# KiCad board ulx4m_panel.kicad_pcb
title: ULX4M-LS; date: 2025-03-12; rev: v0.0.4; company: Intergalaktik d.o.o.; note: License: CERN-OHL-S v2
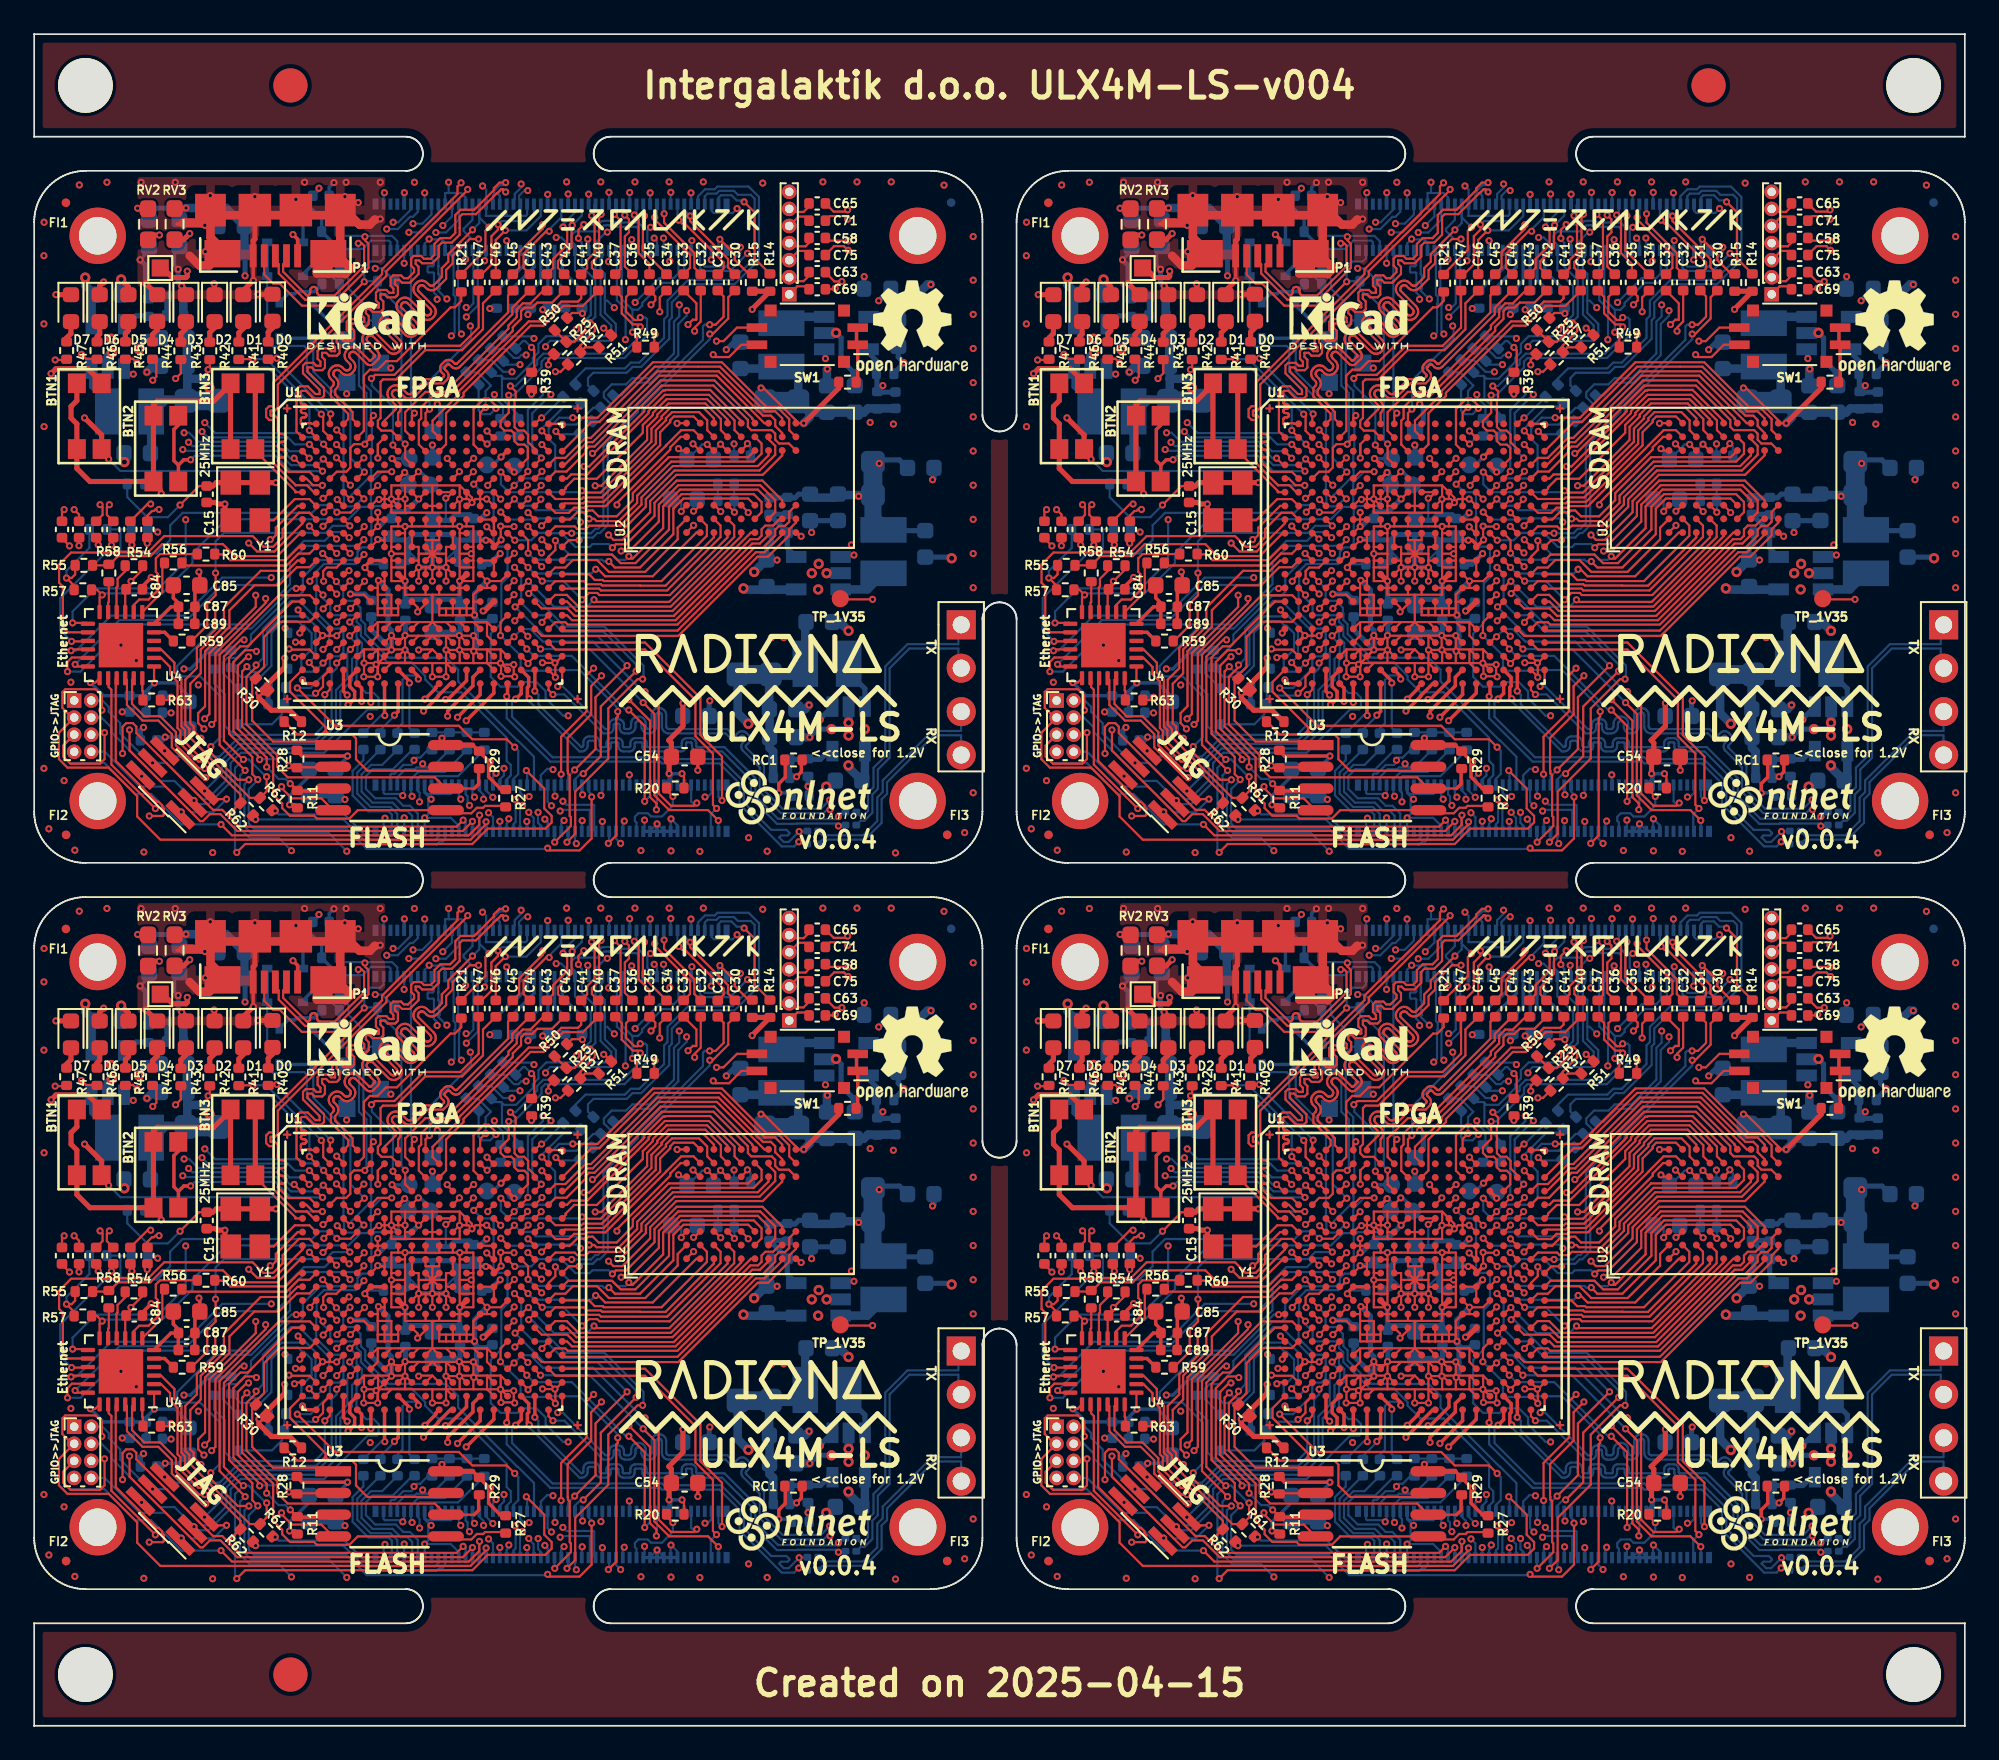
[diagram p0: board, top side]
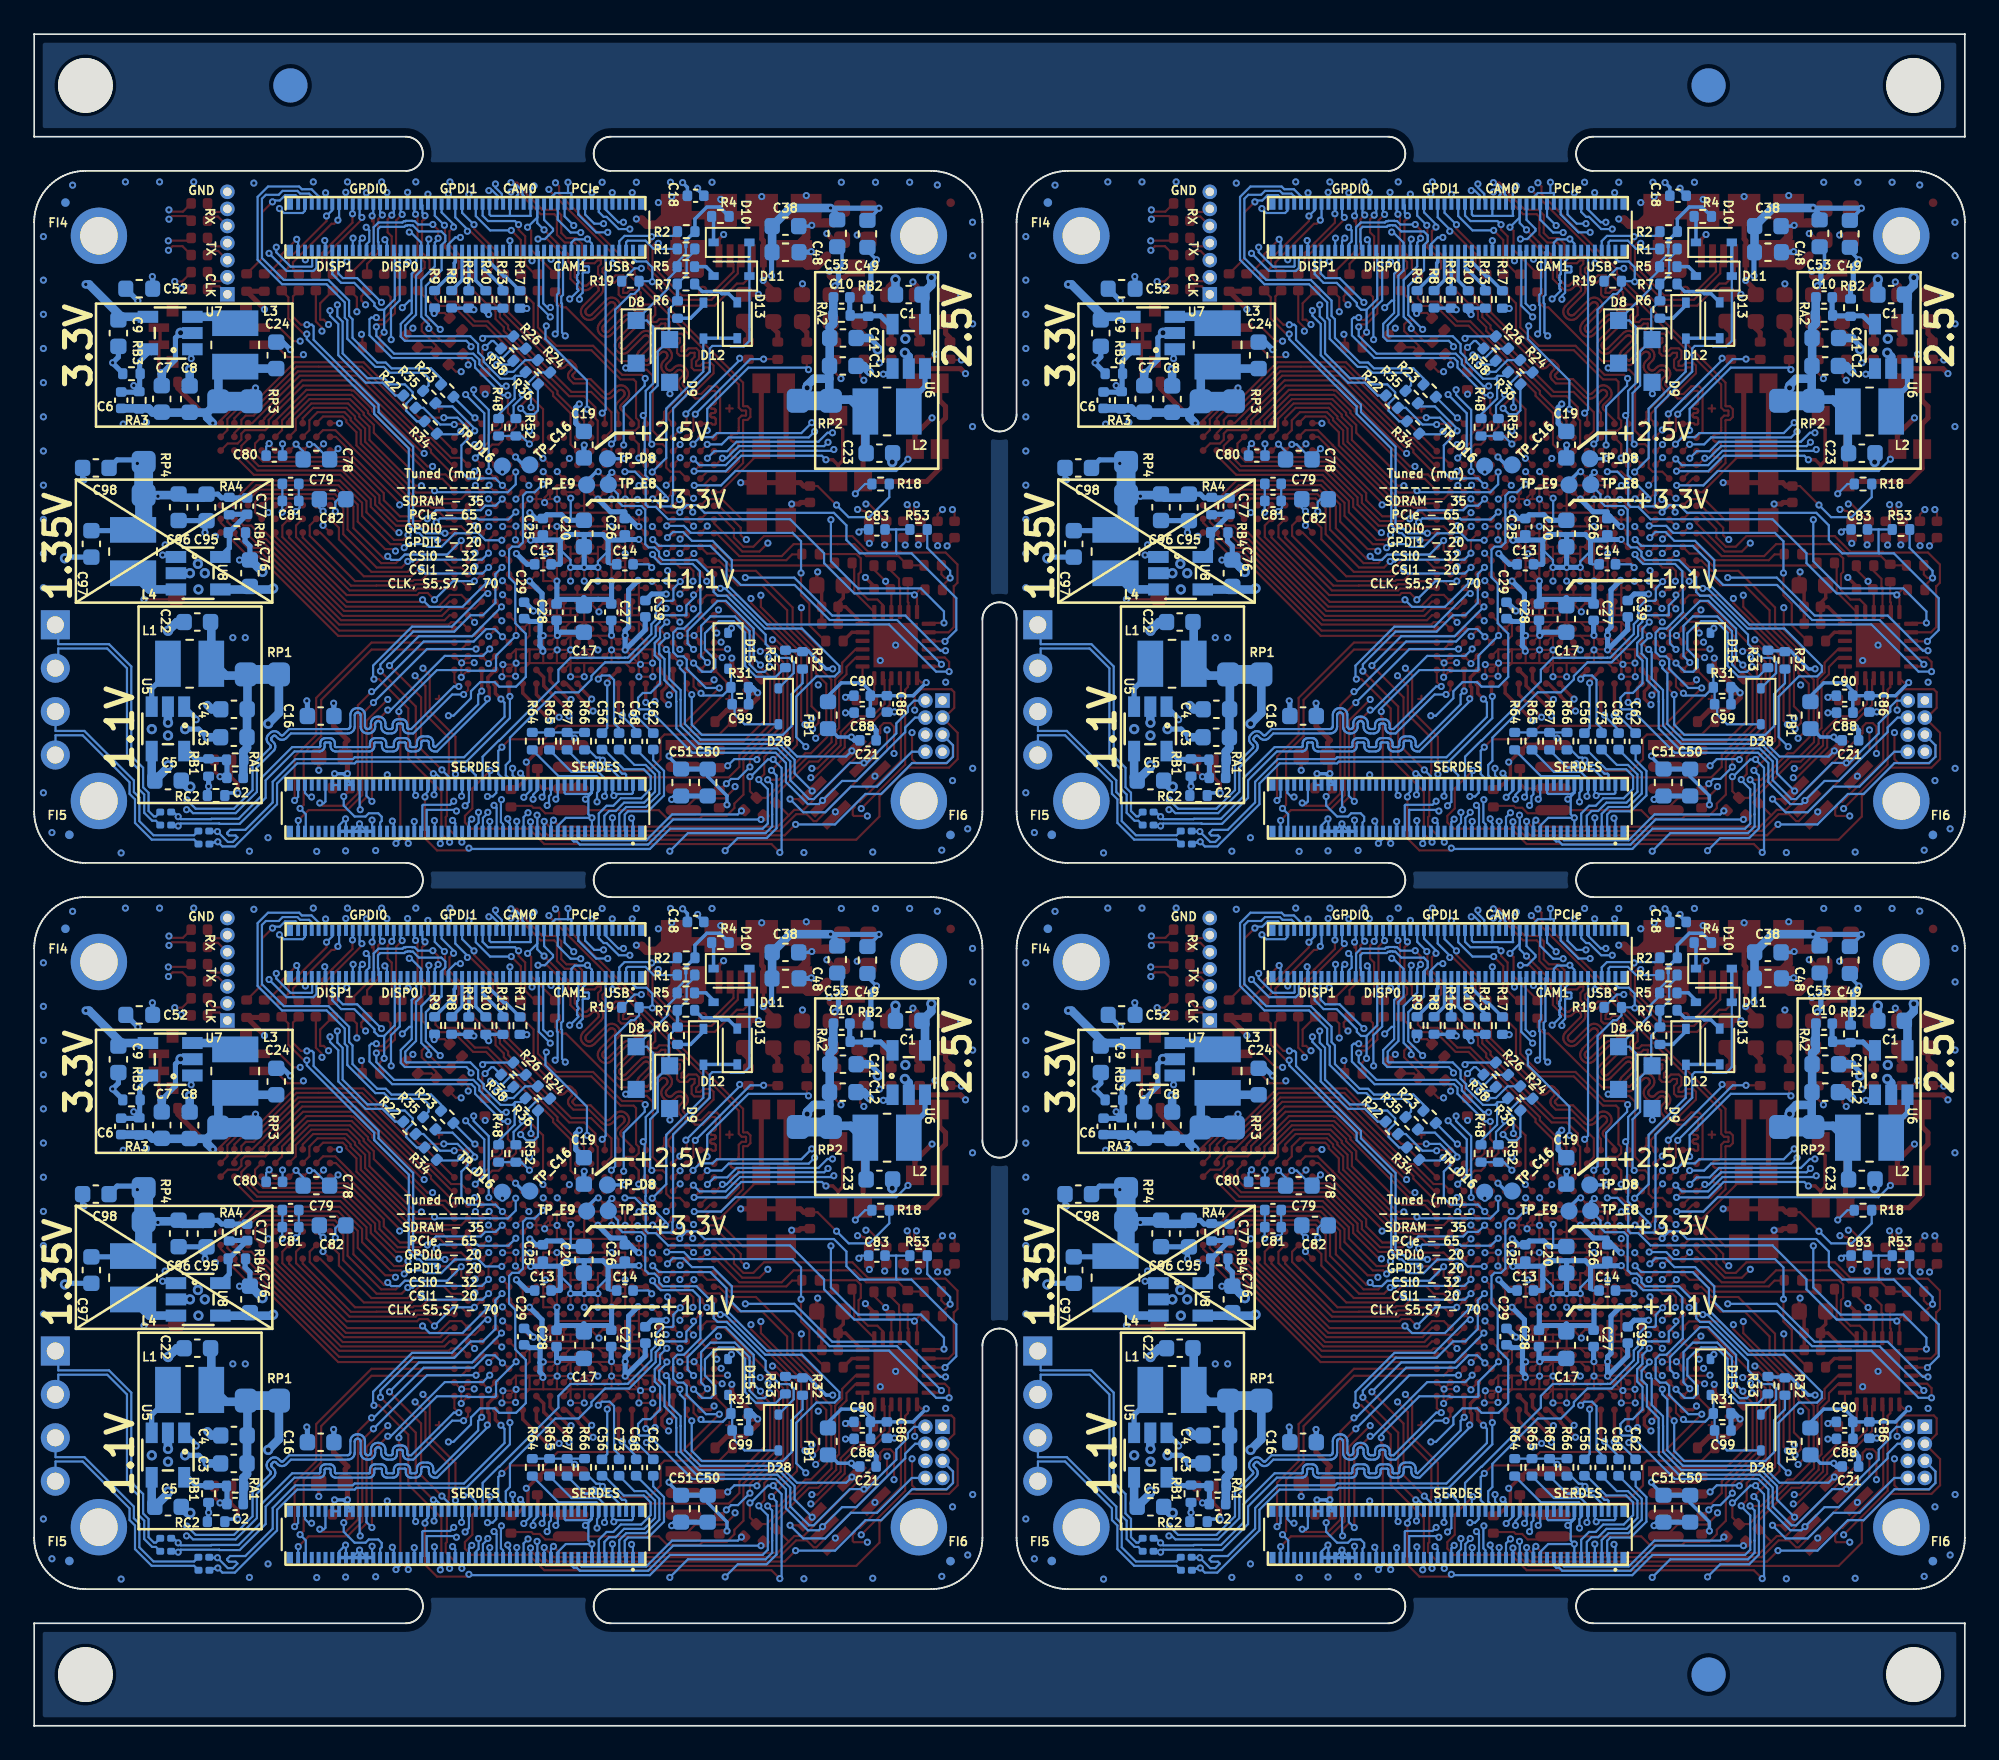
[diagram p1: board, bottom side, seen from below]

Outline 113.02 x 99 mm; copper layers: Top, GND1.Cu, In2signal.Cu, POWER.Cu, GND2.Cu, Bottom. Coordinates in mm from the lower left corner of the outline.
Stack: Top 0.035mm / dielectric 0.274mm FR4 er 4.5 / GND1.Cu 0.035mm / dielectric 0.274mm FR4 er 4.5 / In2signal.Cu 0.035mm / dielectric 0.274mm FR4 er 4.5 / POWER.Cu 0.035mm / dielectric 0.274mm FR4 er 4.5 / GND2.Cu 0.035mm / dielectric 0.274mm FR4 er 4.5 / Bottom 0.035mm

## Placement (name value [footprint] x y rotation side)
1.1V_1  1.1V  [TestPoint_Pad_1.0x1.0mm]  7.38 42.82 0 top  (not fitted)
1.1V_1#2  1.1V  [TestPoint_Pad_1.0x1.0mm]  7.38 85.32 0 top  (not fitted)
1.1V_1#3  1.1V  [TestPoint_Pad_1.0x1.0mm]  64.89 85.32 0 top  (not fitted)
1.1V_1#4  1.1V  [TestPoint_Pad_1.0x1.0mm]  64.89 42.82 0 top  (not fitted)
BTN1  SW_Push  [Switch_EVPAA]  3.23 34.15 90 top
BTN1#2  SW_Push  [Switch_EVPAA]  3.23 76.65 90 top
BTN1#3  SW_Push  [Switch_EVPAA]  60.73 76.65 90 top
BTN1#4  SW_Push  [Switch_EVPAA]  60.73 34.15 90 top
BTN2  SW_Push  [Switch_EVPAA]  65.22 32.25 90 top
BTN2#2  SW_Push  [Switch_EVPAA]  65.22 74.75 90 top
BTN2#3  SW_Push  [Switch_EVPAA]  7.71 32.25 90 top
BTN2#4  SW_Push  [Switch_EVPAA]  7.71 74.75 90 top
BTN3  SW_Push  [Switch_EVPAA]  12.22 76.65 90 top
BTN3#2  SW_Push  [Switch_EVPAA]  12.22 34.15 90 top
BTN3#3  SW_Push  [Switch_EVPAA]  69.73 34.15 90 top
BTN3#4  SW_Push  [Switch_EVPAA]  69.73 76.65 90 top
C1  22uF  [C_0603_1608Metric]  61.83 41.26 0 bottom
C1#2  22uF  [C_0603_1608Metric]  4.32 83.76 0 bottom
C1#3  22uF  [C_0603_1608Metric]  61.83 83.76 0 bottom
C1#4  22uF  [C_0603_1608Metric]  4.32 41.26 0 bottom
C2  100pF  [C_0402_1005Metric]  101.26 12.98 0 bottom
C2#2  100pF  [C_0402_1005Metric]  43.75 12.98 0 bottom
C2#3  100pF  [C_0402_1005Metric]  101.26 55.48 0 bottom
C2#4  100pF  [C_0402_1005Metric]  43.75 55.48 0 bottom
C3  22uF  [C_0603_1608Metric]  43.83 57.86 0 bottom
C3#2  22uF  [C_0603_1608Metric]  101.33 57.86 0 bottom
C3#3  22uF  [C_0603_1608Metric]  101.33 15.36 0 bottom
C3#4  22uF  [C_0603_1608Metric]  43.83 15.36 0 bottom
C4  22uF  [C_0603_1608Metric]  101.33 59.49 0 bottom
C4#2  22uF  [C_0603_1608Metric]  101.33 16.99 0 bottom
C4#3  22uF  [C_0603_1608Metric]  43.82 59.49 0 bottom
C4#4  22uF  [C_0603_1608Metric]  43.82 16.99 0 bottom
C5  22uF  [C_0603_1608Metric]  47.67 55.32 180 bottom
C5#2  22uF  [C_0603_1608Metric]  105.19 55.32 180 bottom
C5#3  22uF  [C_0603_1608Metric]  105.19 12.82 180 bottom
C5#4  22uF  [C_0603_1608Metric]  47.67 12.82 180 bottom
C6  100pF  [C_0402_1005Metric]  50.41 35.08 90 bottom
C6#2  100pF  [C_0402_1005Metric]  50.41 77.58 90 bottom
C6#3  100pF  [C_0402_1005Metric]  107.92 77.58 90 bottom
C6#4  100pF  [C_0402_1005Metric]  107.92 35.08 90 bottom
C7  22uF  [C_0603_1608Metric]  48.04 77.66 90 bottom
C7#2  22uF  [C_0603_1608Metric]  48.04 35.16 90 bottom
C7#3  22uF  [C_0603_1608Metric]  105.55 77.66 90 bottom
C7#4  22uF  [C_0603_1608Metric]  105.55 35.16 90 bottom
C8  22uF  [C_0603_1608Metric]  46.41 77.65 90 bottom
C8#2  22uF  [C_0603_1608Metric]  46.41 35.15 90 bottom
C8#3  22uF  [C_0603_1608Metric]  103.92 35.15 90 bottom
C8#4  22uF  [C_0603_1608Metric]  103.92 77.65 90 bottom
C9  22uF  [C_0603_1608Metric]  50.58 39.01 270 bottom
C9#2  22uF  [C_0603_1608Metric]  108.09 39.01 270 bottom
C9#3  22uF  [C_0603_1608Metric]  50.58 81.51 270 bottom
C9#4  22uF  [C_0603_1608Metric]  108.09 81.51 270 bottom
C10  100pF  [C_0402_1005Metric]  8.24 41.1 180 bottom
C10#2  100pF  [C_0402_1005Metric]  65.75 83.6 180 bottom
C10#3  100pF  [C_0402_1005Metric]  65.75 41.1 180 bottom
C10#4  100pF  [C_0402_1005Metric]  8.24 83.6 180 bottom
C11  22uF  [C_0603_1608Metric]  8.17 81.22 180 bottom
C11#2  22uF  [C_0603_1608Metric]  8.17 38.72 180 bottom
C11#3  22uF  [C_0603_1608Metric]  65.67 81.22 180 bottom
C11#4  22uF  [C_0603_1608Metric]  65.67 38.72 180 bottom
C12  22uF  [C_0603_1608Metric]  65.69 79.59 180 bottom
C12#2  22uF  [C_0603_1608Metric]  8.18 37.09 180 bottom
C12#3  22uF  [C_0603_1608Metric]  65.69 37.09 180 bottom
C12#4  22uF  [C_0603_1608Metric]  8.18 79.59 180 bottom
C13  22nF  [C_0402_1005Metric]  83.24 25.48 180 bottom
C13#2  22nF  [C_0402_1005Metric]  25.73 25.48 180 bottom
C13#3  22nF  [C_0402_1005Metric]  25.73 67.98 180 bottom
C13#4  22nF  [C_0402_1005Metric]  83.24 67.98 180 bottom
C14  22nF  [C_0402_1005Metric]  20.93 67.98 0 bottom
C14#2  22nF  [C_0402_1005Metric]  78.44 25.48 0 bottom
C14#3  22nF  [C_0402_1005Metric]  20.93 25.48 0 bottom
C14#4  22nF  [C_0402_1005Metric]  78.44 67.98 0 bottom
C15  22nF  [C_0402_1005Metric]  67.61 72.08 270 top
C15#2  22nF  [C_0402_1005Metric]  10.1 29.58 270 top
C15#3  22nF  [C_0402_1005Metric]  10.1 72.08 270 top
C15#4  22nF  [C_0402_1005Metric]  67.61 29.58 270 top
C16  2.2uF  [C_0603_1608Metric]  96.25 59.1 0 bottom
C16#2  2.2uF  [C_0603_1608Metric]  38.74 16.6 0 bottom
C16#3  2.2uF  [C_0603_1608Metric]  38.74 59.1 0 bottom
C16#4  2.2uF  [C_0603_1608Metric]  96.25 16.6 0 bottom
C17  2.2uF  [C_0603_1608Metric]  23.33 64.78 270 bottom
C17#2  2.2uF  [C_0603_1608Metric]  80.84 22.28 270 bottom
C17#3  2.2uF  [C_0603_1608Metric]  23.33 22.28 270 bottom
C17#4  2.2uF  [C_0603_1608Metric]  80.84 64.78 270 bottom
C18  22nF  [C_0402_1005Metric]  16.79 47.05 0 bottom
C18#2  22nF  [C_0402_1005Metric]  16.79 89.55 0 bottom
C18#3  22nF  [C_0402_1005Metric]  74.3 89.55 0 bottom
C18#4  22nF  [C_0402_1005Metric]  74.3 47.05 0 bottom
C19  2.2uF  [C_0603_1608Metric]  80.84 32.48 90 bottom
C19#2  2.2uF  [C_0603_1608Metric]  23.33 74.98 90 bottom
C19#3  2.2uF  [C_0603_1608Metric]  23.33 32.48 90 bottom
C19#4  2.2uF  [C_0603_1608Metric]  80.84 74.98 90 bottom
C20  2.2uF  [C_0603_1608Metric]  80.84 69.78 270 bottom
C20#2  2.2uF  [C_0603_1608Metric]  80.84 27.28 270 bottom
C20#3  2.2uF  [C_0603_1608Metric]  23.33 69.78 270 bottom
C20#4  2.2uF  [C_0603_1608Metric]  23.33 27.28 270 bottom
C21  22nF  [C_0402_1005Metric]  6.7 57.68 180 bottom
C21#2  22nF  [C_0402_1005Metric]  64.21 15.18 180 bottom
C21#3  22nF  [C_0402_1005Metric]  6.7 15.18 180 bottom
C21#4  22nF  [C_0402_1005Metric]  64.21 57.68 180 bottom
C22  2.2uF  [C_0603_1608Metric]  103.47 22.1 0 bottom
C22#2  2.2uF  [C_0603_1608Metric]  45.96 64.6 0 bottom
C22#3  2.2uF  [C_0603_1608Metric]  45.96 22.1 0 bottom
C22#4  2.2uF  [C_0603_1608Metric]  103.47 64.6 0 bottom
C23  2.2uF  [C_0603_1608Metric]  63.54 74.48 180 bottom
C23#2  2.2uF  [C_0603_1608Metric]  6.03 31.98 180 bottom
C23#3  2.2uF  [C_0603_1608Metric]  6.03 74.48 180 bottom
C23#4  2.2uF  [C_0603_1608Metric]  63.54 31.98 180 bottom
C24  2.2uF  [C_0603_1608Metric]  41.34 80.21 90 bottom
C24#2  2.2uF  [C_0603_1608Metric]  98.85 80.21 90 bottom
C24#3  2.2uF  [C_0603_1608Metric]  41.34 37.71 90 bottom
C24#4  2.2uF  [C_0603_1608Metric]  98.85 37.71 90 bottom
C25  22nF  [C_0402_1005Metric]  83.24 27.68 270 bottom
C25#2  22nF  [C_0402_1005Metric]  25.73 70.18 270 bottom
C25#3  22nF  [C_0402_1005Metric]  25.73 27.68 270 bottom
C25#4  22nF  [C_0402_1005Metric]  83.24 70.18 270 bottom
C26  22nF  [C_0402_1005Metric]  78.44 70.18 270 bottom
C26#2  22nF  [C_0402_1005Metric]  20.93 70.18 270 bottom
C26#3  22nF  [C_0402_1005Metric]  20.93 27.68 270 bottom
C26#4  22nF  [C_0402_1005Metric]  78.44 27.68 270 bottom
C27  22nF  [C_0402_1005Metric]  21.73 65.18 270 bottom
C27#2  22nF  [C_0402_1005Metric]  79.24 65.18 270 bottom
C27#3  22nF  [C_0402_1005Metric]  79.24 22.68 270 bottom
C27#4  22nF  [C_0402_1005Metric]  21.73 22.68 270 bottom
C28  22nF  [C_0402_1005Metric]  82.44 65.18 270 bottom
C28#2  22nF  [C_0402_1005Metric]  24.93 22.68 270 bottom
C28#3  22nF  [C_0402_1005Metric]  24.93 65.18 270 bottom
C28#4  22nF  [C_0402_1005Metric]  82.44 22.68 270 bottom
C29  22nF  [C_0402_1005Metric]  26.83 22.78 270 bottom
C29#2  22nF  [C_0402_1005Metric]  84.34 22.78 270 bottom
C29#3  22nF  [C_0402_1005Metric]  26.83 65.28 270 bottom
C29#4  22nF  [C_0402_1005Metric]  84.34 65.28 270 bottom
C30  100n  [C_0402_1005Metric]  41.02 41.98 90 top
C30#2  100n  [C_0402_1005Metric]  98.53 84.48 90 top
C30#3  100n  [C_0402_1005Metric]  98.53 41.98 90 top
C30#4  100n  [C_0402_1005Metric]  41.02 84.48 90 top
C31  100n  [C_0402_1005Metric]  40.02 41.98 90 top
C31#2  100n  [C_0402_1005Metric]  40.02 84.48 90 top
C31#3  100n  [C_0402_1005Metric]  97.53 41.98 90 top
C31#4  100n  [C_0402_1005Metric]  97.53 84.48 90 top
C32  100n  [C_0402_1005Metric]  39.02 84.48 90 top
C32#2  100n  [C_0402_1005Metric]  96.53 41.98 90 top
C32#3  100n  [C_0402_1005Metric]  96.53 84.48 90 top
C32#4  100n  [C_0402_1005Metric]  39.02 41.98 90 top
C33  100n  [C_0402_1005Metric]  95.53 84.48 90 top
C33#2  100n  [C_0402_1005Metric]  95.53 41.98 90 top
C33#3  100n  [C_0402_1005Metric]  38.02 41.98 90 top
C33#4  100n  [C_0402_1005Metric]  38.02 84.48 90 top
C34  100n  [C_0402_1005Metric]  37.02 84.48 90 top
C34#2  100n  [C_0402_1005Metric]  37.02 41.98 90 top
C34#3  100n  [C_0402_1005Metric]  94.53 41.98 90 top
C34#4  100n  [C_0402_1005Metric]  94.53 84.48 90 top
C35  100n  [C_0402_1005Metric]  36.02 84.48 90 top
C35#2  100n  [C_0402_1005Metric]  93.53 41.98 90 top
C35#3  100n  [C_0402_1005Metric]  36.02 41.98 90 top
C35#4  100n  [C_0402_1005Metric]  93.53 84.48 90 top
C36  100n  [C_0402_1005Metric]  35.02 41.98 90 top
C36#2  100n  [C_0402_1005Metric]  92.53 84.48 90 top
C36#3  100n  [C_0402_1005Metric]  92.53 41.98 90 top
C36#4  100n  [C_0402_1005Metric]  35.02 84.48 90 top
C37  100n  [C_0402_1005Metric]  34.02 41.98 90 top
C37#2  100n  [C_0402_1005Metric]  91.53 84.48 90 top
C37#3  100n  [C_0402_1005Metric]  91.53 41.98 90 top
C37#4  100n  [C_0402_1005Metric]  34.02 84.48 90 top
C38  2.2uF  [C_0603_1608Metric]  11.53 87.77 180 bottom
C38#2  2.2uF  [C_0603_1608Metric]  11.53 45.27 180 bottom
C38#3  2.2uF  [C_0603_1608Metric]  69.04 87.77 180 bottom
C38#4  2.2uF  [C_0603_1608Metric]  69.04 45.27 180 bottom
C39  22nF  [C_0402_1005Metric]  19.73 65.38 270 bottom
C39#2  22nF  [C_0402_1005Metric]  77.24 65.38 270 bottom
C39#3  22nF  [C_0402_1005Metric]  19.73 22.88 270 bottom
C39#4  22nF  [C_0402_1005Metric]  77.24 22.88 270 bottom
C40  100n  [C_0402_1005Metric]  33.02 84.48 90 top
C40#2  100n  [C_0402_1005Metric]  90.53 41.98 90 top
C40#3  100n  [C_0402_1005Metric]  90.53 84.48 90 top
C40#4  100n  [C_0402_1005Metric]  33.02 41.98 90 top
C41  100n  [C_0402_1005Metric]  32.02 41.98 90 top
C41#2  100n  [C_0402_1005Metric]  89.53 84.48 90 top
C41#3  100n  [C_0402_1005Metric]  32.02 84.48 90 top
C41#4  100n  [C_0402_1005Metric]  89.53 41.98 90 top
C42  100n  [C_0402_1005Metric]  88.53 41.98 90 top
C42#2  100n  [C_0402_1005Metric]  31.02 84.48 90 top
C42#3  100n  [C_0402_1005Metric]  88.53 84.48 90 top
C42#4  100n  [C_0402_1005Metric]  31.02 41.98 90 top
C43  100n  [C_0402_1005Metric]  30.02 84.48 90 top
C43#2  100n  [C_0402_1005Metric]  87.53 41.98 90 top
C43#3  100n  [C_0402_1005Metric]  87.53 84.48 90 top
C43#4  100n  [C_0402_1005Metric]  30.02 41.98 90 top
C44  100n  [C_0402_1005Metric]  86.53 84.48 90 top
C44#2  100n  [C_0402_1005Metric]  86.53 41.98 90 top
C44#3  100n  [C_0402_1005Metric]  29.02 41.98 90 top
C44#4  100n  [C_0402_1005Metric]  29.02 84.48 90 top
C45  100n  [C_0402_1005Metric]  28.02 84.48 90 top
C45#2  100n  [C_0402_1005Metric]  28.02 41.98 90 top
C45#3  100n  [C_0402_1005Metric]  85.53 84.48 90 top
C45#4  100n  [C_0402_1005Metric]  85.53 41.98 90 top
C46  100n  [C_0402_1005Metric]  27.02 84.48 90 top
C46#2  100n  [C_0402_1005Metric]  27.02 41.98 90 top
C46#3  100n  [C_0402_1005Metric]  84.53 41.98 90 top
C46#4  100n  [C_0402_1005Metric]  84.53 84.48 90 top
C47  100n  [C_0402_1005Metric]  26.02 41.98 90 top
C47#2  100n  [C_0402_1005Metric]  83.53 41.98 90 top
C47#3  100n  [C_0402_1005Metric]  83.53 84.48 90 top
C47#4  100n  [C_0402_1005Metric]  26.02 84.48 90 top
C48  22nF  [C_0603_1608Metric]  11.53 43.74 180 bottom
C48#2  22nF  [C_0603_1608Metric]  11.53 86.24 180 bottom
C48#3  22nF  [C_0603_1608Metric]  69.04 86.24 180 bottom
C48#4  22nF  [C_0603_1608Metric]  69.04 43.74 180 bottom
C49  22nF  [C_0603_1608Metric]  64.24 44.82 270 bottom
C49#2  22nF  [C_0603_1608Metric]  64.24 87.32 270 bottom
C49#3  22nF  [C_0603_1608Metric]  6.73 44.82 270 bottom
C49#4  22nF  [C_0603_1608Metric]  6.73 87.32 270 bottom
C50  22nF  [C_0603_1608Metric]  73.59 55.21 270 bottom
C50#2  22nF  [C_0603_1608Metric]  73.59 12.71 270 bottom
C50#3  22nF  [C_0603_1608Metric]  16.08 55.21 270 bottom
C50#4  22nF  [C_0603_1608Metric]  16.08 12.71 270 bottom
C51  22nF  [C_0603_1608Metric]  75.15 12.71 270 bottom
C51#2  22nF  [C_0603_1608Metric]  17.64 12.71 270 bottom
C51#3  22nF  [C_0603_1608Metric]  17.64 55.21 270 bottom
C51#4  22nF  [C_0603_1608Metric]  75.15 55.21 270 bottom
C52  22nF  [C_0603_1608Metric]  106.87 41.61 0 bottom
C52#2  22nF  [C_0603_1608Metric]  106.87 84.11 0 bottom
C52#3  22nF  [C_0603_1608Metric]  49.36 41.61 0 bottom
C52#4  22nF  [C_0603_1608Metric]  49.36 84.11 0 bottom
C53  22nF  [C_0603_1608Metric]  8.5 87.35 270 bottom
C53#2  22nF  [C_0603_1608Metric]  8.5 44.85 270 bottom
C53#3  22nF  [C_0603_1608Metric]  66.01 87.35 270 bottom
C53#4  22nF  [C_0603_1608Metric]  66.01 44.85 270 bottom
C54  2.2uF  [C_0603_1608Metric]  38.08 56.72 0 top
C54#2  2.2uF  [C_0603_1608Metric]  95.58 14.22 0 top
C54#3  2.2uF  [C_0603_1608Metric]  95.58 56.72 0 top
C54#4  2.2uF  [C_0603_1608Metric]  38.08 14.22 0 top
C55  22n  [C_0402_1005Metric]  6.63 27.52 270 top
C55#2  22n  [C_0402_1005Metric]  64.14 27.52 270 top
C55#3  22n  [C_0402_1005Metric]  6.63 70.02 270 top
C55#4  22n  [C_0402_1005Metric]  64.14 70.02 270 top
C56  22n  [C_0402_1005Metric]  22.27 15.12 90 bottom
C56#2  22n  [C_0402_1005Metric]  79.78 57.62 90 bottom
C56#3  22n  [C_0402_1005Metric]  79.78 15.12 90 bottom
C56#4  22n  [C_0402_1005Metric]  22.27 57.62 90 bottom
C58  22n  [C_0402_1005Metric]  45.84 44.58 0 top
C58#2  22n  [C_0402_1005Metric]  103.35 87.08 0 top
C58#3  22n  [C_0402_1005Metric]  45.84 87.08 0 top
C58#4  22n  [C_0402_1005Metric]  103.35 44.58 0 top
C59  22n  [C_0402_1005Metric]  60.14 27.52 270 top
C59#2  22n  [C_0402_1005Metric]  2.63 27.52 270 top
C59#3  22n  [C_0402_1005Metric]  60.14 70.02 270 top
C59#4  22n  [C_0402_1005Metric]  2.63 70.02 270 top
C61  22n  [C_0402_1005Metric]  62.14 27.52 270 top
C61#2  22n  [C_0402_1005Metric]  62.14 70.02 270 top
C61#3  22n  [C_0402_1005Metric]  4.63 27.52 270 top
C61#4  22n  [C_0402_1005Metric]  4.63 70.02 270 top
C62  22n  [C_0402_1005Metric]  76.78 15.12 90 bottom
C62#2  22n  [C_0402_1005Metric]  76.78 57.62 90 bottom
C62#3  22n  [C_0402_1005Metric]  19.27 57.62 90 bottom
C62#4  22n  [C_0402_1005Metric]  19.27 15.12 90 bottom
C63  22n  [C_0402_1005Metric]  103.35 42.58 0 top
C63#2  22n  [C_0402_1005Metric]  45.84 85.08 0 top
C63#3  22n  [C_0402_1005Metric]  103.35 85.08 0 top
C63#4  22n  [C_0402_1005Metric]  45.84 42.58 0 top
C65  22n  [C_0402_1005Metric]  45.84 89.1 0 top
C65#2  22n  [C_0402_1005Metric]  45.84 46.6 0 top
C65#3  22n  [C_0402_1005Metric]  103.35 89.1 0 top
C65#4  22n  [C_0402_1005Metric]  103.35 46.6 0 top
C66  22n  [C_0402_1005Metric]  1.63 27.52 90 top
C66#2  22n  [C_0402_1005Metric]  59.14 27.52 90 top
C66#3  22n  [C_0402_1005Metric]  1.63 70.02 90 top
C66#4  22n  [C_0402_1005Metric]  59.14 70.02 90 top
C67  22n  [C_0402_1005Metric]  61.14 70.02 90 top
C67#2  22n  [C_0402_1005Metric]  3.63 70.02 90 top
C67#3  22n  [C_0402_1005Metric]  3.63 27.52 90 top
C67#4  22n  [C_0402_1005Metric]  61.14 27.52 90 top
C68  22n  [C_0402_1005Metric]  20.27 57.62 270 bottom
C68#2  22n  [C_0402_1005Metric]  20.27 15.12 270 bottom
C68#3  22n  [C_0402_1005Metric]  77.78 57.62 270 bottom
C68#4  22n  [C_0402_1005Metric]  77.78 15.12 270 bottom
C69  22n  [C_0402_1005Metric]  45.84 84.08 180 top
C69#2  22n  [C_0402_1005Metric]  103.35 41.58 180 top
C69#3  22n  [C_0402_1005Metric]  103.35 84.08 180 top
C69#4  22n  [C_0402_1005Metric]  45.84 41.58 180 top
C71  22n  [C_0402_1005Metric]  103.35 88.09 180 top
C71#2  22n  [C_0402_1005Metric]  103.35 45.59 180 top
C71#3  22n  [C_0402_1005Metric]  45.84 88.09 180 top
C71#4  22n  [C_0402_1005Metric]  45.84 45.59 180 top
C72  22n  [C_0402_1005Metric]  63.14 70.02 90 top
C72#2  22n  [C_0402_1005Metric]  5.63 27.52 90 top
C72#3  22n  [C_0402_1005Metric]  5.63 70.02 90 top
C72#4  22n  [C_0402_1005Metric]  63.14 27.52 90 top
C73  22n  [C_0402_1005Metric]  21.27 15.12 270 bottom
C73#2  22n  [C_0402_1005Metric]  21.27 57.62 270 bottom
C73#3  22n  [C_0402_1005Metric]  78.78 57.62 270 bottom
C73#4  22n  [C_0402_1005Metric]  78.78 15.12 270 bottom
C75  22n  [C_0402_1005Metric]  103.35 86.08 180 top
C75#2  22n  [C_0402_1005Metric]  103.35 43.58 180 top
C75#3  22n  [C_0402_1005Metric]  45.84 43.58 180 top
C75#4  22n  [C_0402_1005Metric]  45.84 86.08 180 top
C76  22uF  [C_0603_1608Metric]  42.88 67.46 90 bottom  (not fitted)
C76#2  22uF  [C_0603_1608Metric]  100.39 24.96 90 bottom  (not fitted)
C76#3  22uF  [C_0603_1608Metric]  100.39 67.46 90 bottom  (not fitted)
C76#4  22uF  [C_0603_1608Metric]  42.88 24.96 90 bottom  (not fitted)
C77  100pF  [C_0402_1005Metric]  43.05 28.88 270 bottom  (not fitted)
C77#2  100pF  [C_0402_1005Metric]  100.56 28.88 270 bottom  (not fitted)
C77#3  100pF  [C_0402_1005Metric]  43.05 71.38 270 bottom  (not fitted)
C77#4  100pF  [C_0402_1005Metric]  100.56 71.38 270 bottom  (not fitted)
C78  2.2uF  [C_0603_1608Metric]  96.5 74.12 0 bottom
C78#2  2.2uF  [C_0603_1608Metric]  96.5 31.62 0 bottom
C78#3  2.2uF  [C_0603_1608Metric]  38.99 74.12 0 bottom
C78#4  2.2uF  [C_0603_1608Metric]  38.99 31.62 0 bottom
C79  22nF  [C_0402_1005Metric]  40.5 72.69 180 bottom
C79#2  22nF  [C_0402_1005Metric]  98.01 72.69 180 bottom
C79#3  22nF  [C_0402_1005Metric]  98.01 30.19 180 bottom
C79#4  22nF  [C_0402_1005Metric]  40.5 30.19 180 bottom
C80  22nF  [C_0402_1005Metric]  98.96 74.34 180 bottom
C80#2  22nF  [C_0402_1005Metric]  98.96 31.84 180 bottom
C80#3  22nF  [C_0402_1005Metric]  41.45 31.84 180 bottom
C80#4  22nF  [C_0402_1005Metric]  41.45 74.34 180 bottom
C81  22nF  [C_0402_1005Metric]  40.5 71.69 180 bottom
C81#2  22nF  [C_0402_1005Metric]  40.5 29.19 180 bottom
C81#3  22nF  [C_0402_1005Metric]  98.01 71.69 180 bottom
C81#4  22nF  [C_0402_1005Metric]  98.01 29.19 180 bottom
C82  22nF  [C_0603_1608Metric]  38.04 71.79 180 bottom